# Altium PCB GS-AQ-2.pcbdoc (continued)
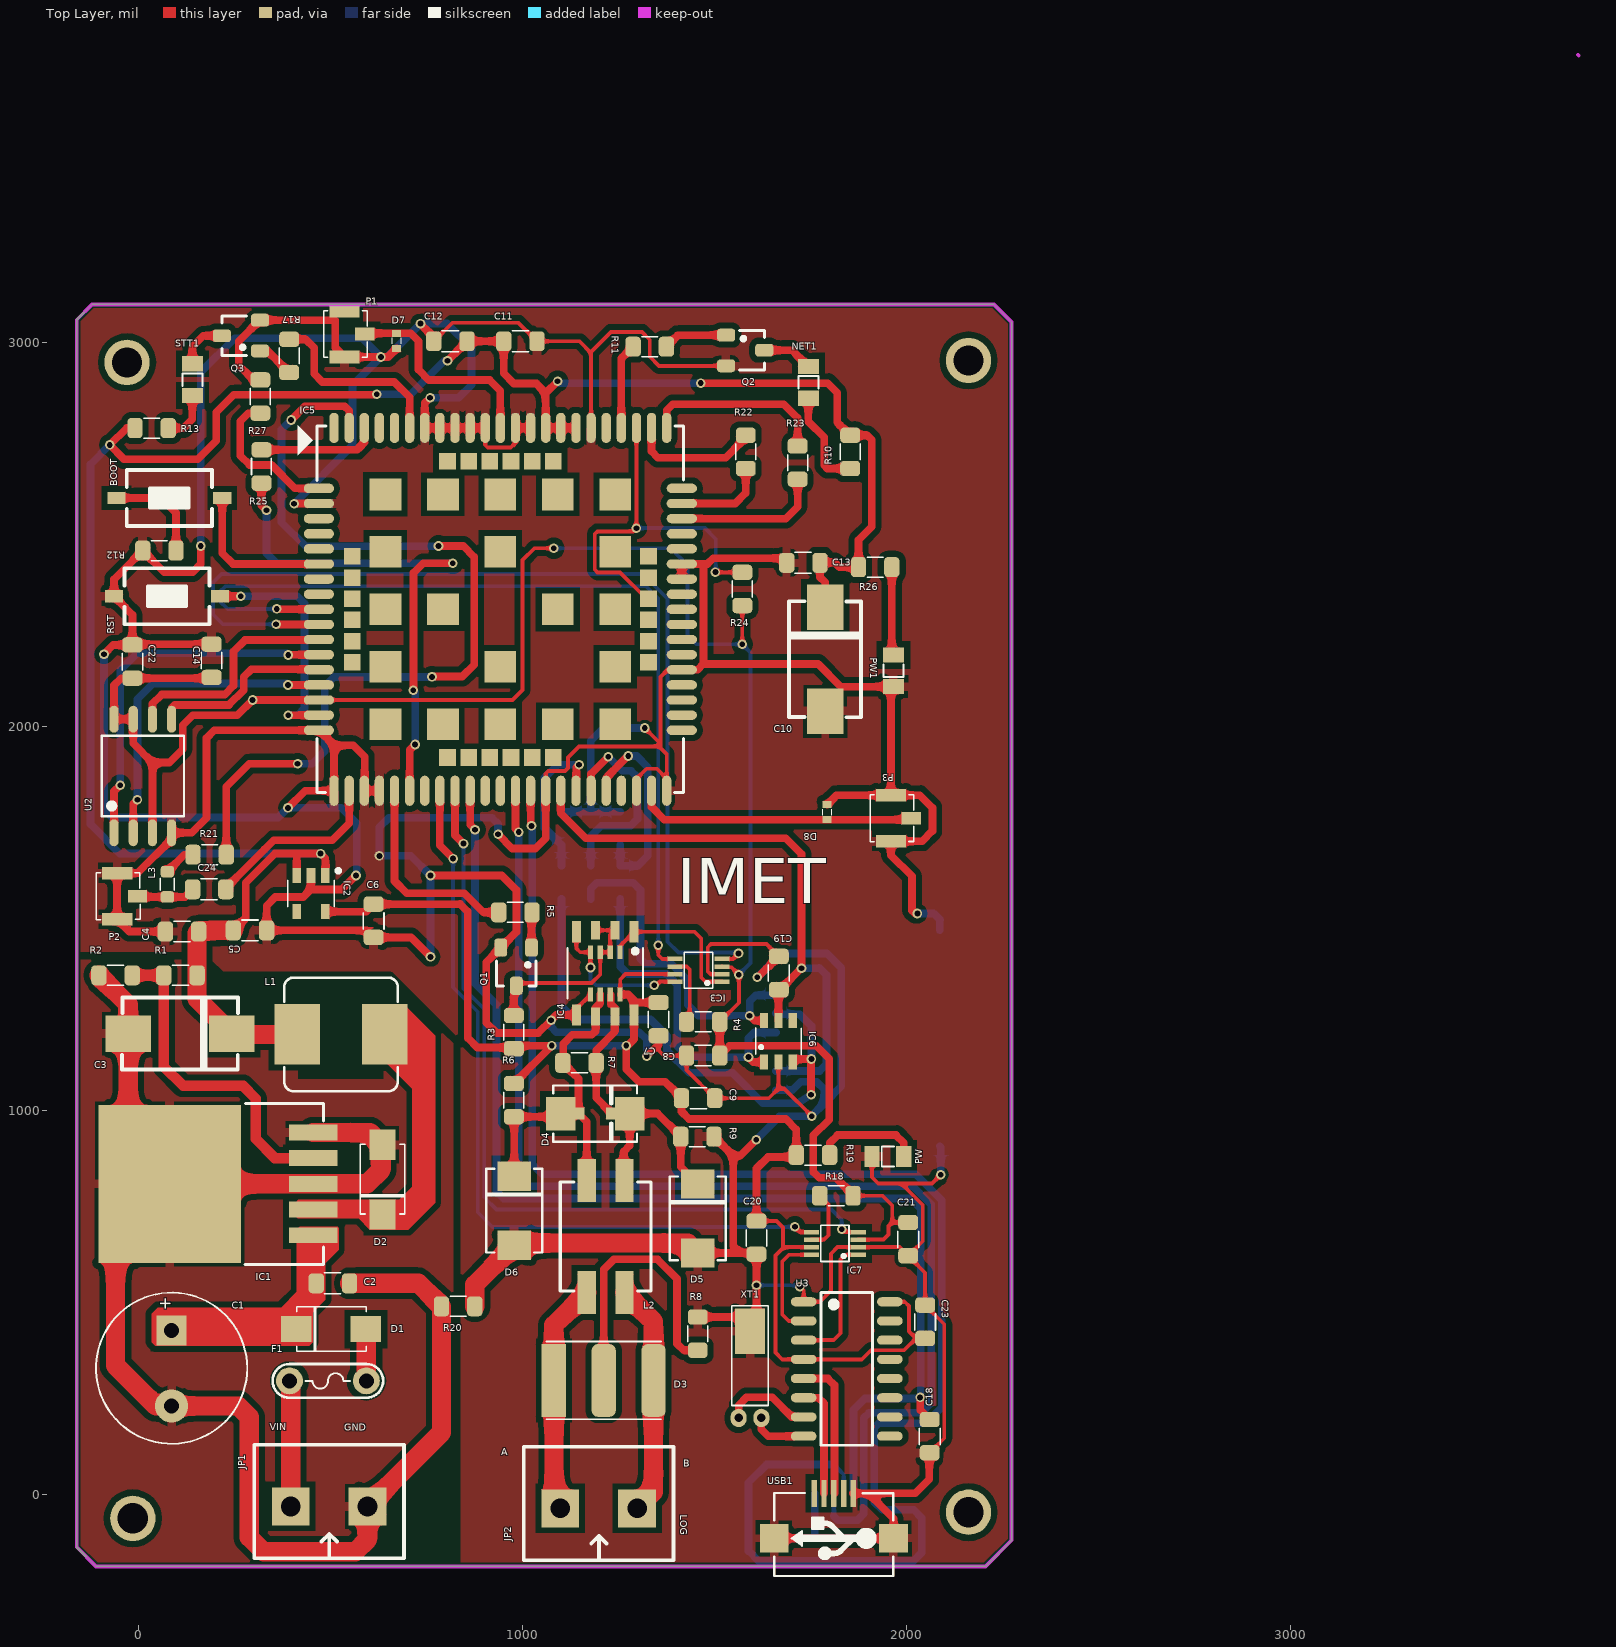
[diagram p0: Top Layer view]
## Footprints (in the part's own frame and the unit in brackets; to place one, negate y for a bottom-side part, rotate by r counter-clockwise, add the part's x,y. Pads: shape width x height; smd on the part's side, far side on the other; paste and mask are expansions set on the pad) (continued)
SO-8N [mil] "SOP, 8-Leads, Body 5.3x5.3mm, Pitch 1.27mm, IPC Medium Density"
  oval 70x24 smd: 1(-148,75) 2(-148,25) 3(-148,-25) 4(-148,-75) 5(148,-75) 6(148,-25) 7(148,25) 8(148,75)
  silkscreen extent -105,-107 105,107, body extent -156,-104 156,104, height 77
"SOD323 - DO241" [mm] "Chip Capacitor; Body 3.2 x 1.6 mm (LxW typ)"
  rect 1.93x2.21 smd: 1(-2.286,0) 2(2.286,0)
  rect 0.8x0.8 smd: 1(-1.1,0) 2(1.1,0)
  silkscreen extent -2.77,-1.85 2.77,1.85, body extent -2.7,-1.8 2.7,1.8, height 2.27
"SOIC-8 - 1" [mm] "SOIC, 8-Leads, Body 5,0x4,0mm (max), Pitch 1,27mm, IPC Medium Density"
  rect 1.4x0.6 smd: 1(-2.75,1.905) 4(-2.75,-1.905) 5(2.75,-1.905) 8(2.75,1.905)
  rect 0.9x0.356 smd: 1(-1.397,0.975) 2(-1.397,0.325) 3(-1.397,-0.325) 4(-1.397,-0.975) 5(1.397,-0.975) 6(1.397,-0.325) 7(1.397,0.325) 8(1.397,0.975)
  rect 1.2x0.6 smd: 2(-2.85,0.635) 3(-2.85,-0.635) 6(2.85,-0.635) 7(2.85,0.635)
  silkscreen extent -1.68,-2.5 1.68,2.5, body extent -3.02,-2.51 3.02,2.51, height 1.6
SOIC-16 [mm]
  oval 1.7x0.6 smd: 1(-2.85,4.445) 2(-2.85,3.175) 3(-2.85,1.905) 4(-2.85,0.635) 5(-2.85,-0.635) 6(-2.85,-1.905) 7(-2.85,-3.175) 8(-2.85,-4.445) 9(2.85,-4.445) 10(2.85,-3.175) 11(2.85,-1.905) 12(2.85,-0.635) 13(2.85,0.635) 14(2.85,1.905) 15(2.85,3.175) 16(2.85,4.445)
  silkscreen extent -1.7,-5.05 1.7,5.05, body extent -3.1,-4.95 3.1,4.95, height 1.7
SOT23-3 [mm]
  rrect50% 0.85x1.2 smd: 1(-1.016,-1.27) 2(1.016,-1.27) 3(-0.018,1.25)
  silkscreen extent -1.32,-0.38 1.28,1.25, body extent -1.5,-1.5 1.5,1.5, height 1.3
SOT23-5 [mm] "SOT23, 5-Leads, Body 3.0x3.0mm (max), Pitch 0.95mm, IPC Medium Density"
  rect 1x0.57 smd: 1(-1.2,0.95) 2(-1.2,0) 3(-1.2,-0.95) 4(1.2,-0.95) 5(1.2,0.95)
  silkscreen extent -1.62,-1.55 0.89,1.93, body extent -1.25,-1.5 1.25,1.5, height 1.06
"SOT23-6 - 2" [mm] "SOT23, 5-Leads, Body 3.0x3.0mm (max), Pitch 0.95mm, IPC Medium Density"
  rect 1x0.55 smd: 1(-1.372,0.95) 2(-1.372,0) 3(-1.372,-0.95) 4(1.372,-0.95) 5(1.372,0) 6(1.372,0.95)
  silkscreen extent -0.89,-1.5 0.89,1.5, body extent -1.4,-1.45 1.4,1.45, height 1.45
SW1-SMD [mm]
  rect 1.2x0.8 smd: 1(-3.5,0) 2(3.5,0)
  silkscreen extent -2.82,-1.85 2.82,1.85, body extent -3.05,-1.85 3.05,1.85, height 2.5
TO-263 [mm]
  rect 1.05x3.2 smd: 1(-3.4,-4.75) 2(-1.7,-4.75) 3(0,-4.75) 4(1.7,-4.75) 5(3.4,-4.75)
  rect 10.45x9.4 smd: 6(0,4.75)
  silkscreen extent -5.33,-5.44 5.31,-0.23, body extent -5.21,-5.33 5.21,9.04, height 4.85
US8 [mm] "Small Outline; 8 Leads; Body Width 3.9 mm; Pitch 1.27 mm"
  rect 1x0.3 smd: 1(-1.55,0.75) 2(-1.55,0.25) 3(-1.55,-0.25) 4(-1.55,-0.75) 5(1.55,-0.75) 6(1.55,-0.25) 7(1.55,0.25) 8(1.55,0.75)
  silkscreen extent -0.94,-1.19 0.94,1.19, body extent -1.6,-1.2 1.6,1.2, height 0.9
USB-M1 [mil]
  rect 14x70 smd: 1(51.18,0) 2(25.59,0) 3(0,0) 4(-25.59,0) 5(-50,0)
  rect 74.8x74.8 smd: 5(-155.51,116.84) 5(155.51,116.84)
  silkscreen extent -155,-1 155,215, body extent -157,5 158,218, height 107
XL-cd74 [mm]
  rect 3x4 smd: 1(2.9,0) 2(-2.9,0)
  silkscreen extent -3.76,-3.76 3.76,3.76, body extent -3.65,-3.65 3.65,3.65, height 4.5
XT32-3 [mil] "Crystal for 32,768kHz, 2pin"
  oval 48x42 hole 22: 1(-87.5,-29.53) 2(-87.5,29.53)
  rect 118.11x78.74 smd: 3(137.8,0)
  silkscreen extent -55,-47 205,47, body extent -93,-39 188,39, height 83

## Part data
BOOT RST: library part SW2, "Switch button 2 pin"
C1: library part CP3, "Cap 470uF/63V"
C2 C4: library part C, "4.7µF ±10% 35V Ceramic Capacitor X5R 0805 (2012 Metric)"
C3: library part CP5, "220µF Molded Tantalum Polymer Capacitor 16V 2917 (7343 Metric) 40mOhm @ 100kHz"
C5 C6 C7 C8 C9 C11 C12 C13 C14 C15 C16 C17 C18 C19 C20 C21 C22 C23 C24: library part C, "Cap SMD"
C10: library part CP4, "Cap SMD"
D1: library part D1A, "Diode 1A"
D2: library part B340A, "Diode Schottky 40V 3A Surface Mount DO-214AC (SMA)"
D3: "GDT 150V 5KA 3 POLE SMD"
D4 D5 D6: library part SMAJ30CA-30V/8.3A, "TVS DIODE 30VWM 48.4VC SMA"
D7 D8: library part TVS, "TVS DIODE 4VWM 1005"
F1: library part Fuse, "Fuse"
IC3 IC7: "IC TRNSLTR BIDIRECTIONAL US8"
IC4: library part MAX3362EKA+T, "IC TRANSCEIVER HALF 1/1 SOT23-8"
IC5: "SIM A7672S-CAT-M1"
JP1 JP2: library part Con2, "Connector 2"
L1: library part L1, "22µH Shielded Inductor 1.65A 96mOhm Max Nonstandard"
L2: library part "L filter Common Mode Chokes", "CMC 51UH 800MA 2LN SMD AEC-Q200"
L3: library part "Inductor Ferit", "FIXED IND 47NH 300MA 700MOHM SMD"
NET1 PW PW1 STT1: library part LED, "LED RED DIFFUSED 0805 SMD"
P1 P2 P3: library part IPXSx66, "Antenna GSM GPS"
Q1 Q2 Q3: library part NPN, "Transistor C1815, SOT23"
R1: library part R, "RES SMD 10K OHM 1% 1/8W 0805"
R2: library part R, "RES SMD 3.3K OHM 1% 1/8W 0805"
R3 R6 R9: library part R, "RES SMD 4.7K OHM 1% 1/8W 0805"
R4 R5 R7 R10 R11 R12 R13 R14 R15 R16 R17 R18 R19 R20 R21 R22 R23 R24 R25 R26 R27: library part R, "Resistor 1/4W"
R8: library part RES, "Resistor 1/4W"
U1: library part Component_1
U2: library part W25Q128JVSIQ, "IC FLASH 128MBIT SPI/QUAD 8SOIC"
U3: library part CH340G, "USB to UART Interface"
XT1: library part XT32k, "Crystal 32,768kHz for timer real"

## Free pads (board coordinates)
  round 118.11 hole 78.74: 4(2162,2952) 5(2162,-47) 6(-14,-63) 7(-29,2947)

## Via types
v1: diameter 25, hole 15, Top Layer to Bottom Layer, 70 vias
v2: diameter 25, hole 15, Top Layer to Bottom Layer, tented both sides, 2 vias

## Nets (pads, with @x,y where several pads share a name; then routed paths per layer and width w, separated by ;. In a path a pad name is that pad's centre, name@x,y a point inside that pad or via, vN(x,y) a via of type N, cw(c..) or ccw(c..) an arc to the next point about the centre after c; other vN are vias at no path point)
1.8V: C8.1 C14.1 C21.1 C22.2 IC3.3 IC5.15 IC7.3 R4.2 R18.2 R24.2 U2.3 U2.7 U2.8 | length 5265.3
  Top Layer w10: IC5.15 974.78,2067.78 1001,2094 1001,2432 1032,2463 v1(1082,2463) ; R4.2 1564,1279.69 v1(1564,1352.74) 1544.68,1372.06 1520.02,1372.06 IC3.3 ; v1(1573,2213) R24.2 ; R18.2 1938,777 1963.31,751.69 1963.31,707.31 ; IC7.3 1940.84,662.84 1954,676 1954,698 1963.31,707.31 ; C21.1 1963.31,707.31
  Top Layer w20: U2.3 37,1905 ; C14.1 189,2124.69 C22.2 -44.31,2124.69 -63,2106 U2.8 U2.7 -13,1955 37,1905 ; IC5.15 v1(297.78,2067.78) 258,2028 142,2028 116,2002 116,1940 81,1905 37,1905 ; R4.2 C8.1 1539.81,1167.5 1765.5,1167.5 1799,1134 1799,975 1758,934 1758,839 1773,824 1816,824 1861.31,778.69 R18.2
  Bottom Layer w10: v1(1082,2463) 1386,2463 1430,2419 1430,2237 1454,2213 v1(1573,2213) 1594,2192 1594,1382.74 v1(1564,1352.74)
3.3LOG_RX: IC7.8 U3.2 | length 284.1
  Top Layer w10: U3.2 1694,451 1677,468 1677,606 1694.47,623.47 IC7.8
3.3LOG_TX: IC7.1 U3.3 | length 346.9
  Top Layer w10: U3.3 1811,401 1829,419 1829,611 1841.47,623.47 IC7.1
3.8V: C3.1 C4.2 C5.1 C10.1 C11.1 C12.1 C13.1 IC2.1 IC2.3 IC5.55 IC5.56 IC5.57 L1.2 R1.2 R10.2 R13.2 R26.1 | length 5911.7
  Top Layer w20: R13.2 -30,2776 v1(-74,2732) -37,2695 155,2695 203,2743 203,2817 249,2863 620,2863 v1(621,2864) ; C5.1 280,1500.31 280,1591.65 356,1667.65 356,1668 414,1668 ; IC2.3 412.6,1666.6 414,1668 ; IC2.1 487.4,1655.6 v1(475,1668) 414,1668 ; v1(805.31,2951) C12.1 C11.1 951.69,2918.31 978,2892 1037,2892 1061.11,2867.89 ; v1(1092,2898) 1061.89,2867.89 1061.11,2867.89 ; IC5.55 IC5.56 IC5.57 1061.11,2867.89 ; v1(1465,2893) 1795,2893 1820,2868 1820,2791.31 R10.2 1897.69,2757.31 1910,2745 1910,2519 1875.69,2484.69 R26.1 1826,2414 1814,2426 1776.31,2426 C13.1 1775.31,2387.69 1789,2374 C10.1
  Top Layer w50: C5.1 160.31,1468 C4.2 153.31,1461 R1.2 153.31,1289.69 C3.1 246,1197 L1.2
  Bottom Layer w20: v1(-74,2732) -124,2682 -124,1744 -48,1668 v1(475,1668) ; v1(621,2864) 710,2864 797,2951 v1(805.31,2951) ; v1(1092,2898) 1097,2893 v1(1465,2893)
485A: D4.1 D6.2 IC4.6 L2.4 R6.2 R7.1 | length 907.7
  Top Layer w20: D6.2 979,981.69 R6.2 1138.39,982.69 D4.1@1146.69,991 ; L2.4 1167.79,969.91 D4.1@1146.69,991 ; IC4.6@1203.2,1301 1203,1300.8 1203,1279 1201.61,1277.61 1201.61,1276.24 1191.66,1266.28 1191,1266.28 1191,1243.8 1191,1206 1181,1196 1130.36,1196 1106.5,1172.14 1106.5,1123.81 R7.1 1146.69,1082 D4.1@1146.69,991
485B: D4.2 D5.2 IC4.7 L2.1 R7.2 R9.2 | length 832.6
  Top Layer w20: IC4.7@1230.2,1300.8 1230.2,1276.42 1240.34,1266.28 1241,1266.28 1241,1243.8 1241,1204 1192.31,1155.31 R7.2 1192.31,1032 D4.2@1233.31,991 ; L2.1 1264,818.88 1264,892 1280.01,908.01 1280.01,991.01 1352.69,991.01 R9.2 1412.69,852.31 D5.2
485DE/RE: IC5.19 R5.1 | length 540
  Top Layer w20: IC5.19 667.41,1596.59 699.69,1564.31 848.88,1564.31 898.18,1515 R5.1
485RX: IC3.8 IC4.4 | length 385.9
  Top Layer w10: IC4.4@1141,1464.27 1141,1421 1151,1411 1177.61,1411 v2(1177.61,1371.39) ; v1(1344,1325) 1349,1325 1358.47,1334.47 IC3.8
  Bottom Layer w10: v2(1177.61,1371.39) 1177.61,1339.39 1192,1325 v1(1344,1325)
485TX: IC3.1 IC4.1 | length 411
  Top Layer w10: IC4.1@1254.39,1411 1254.39,1427.65 1291,1464.27 1448.73,1464.27 1466,1447 1466,1345 1476.53,1334.47 IC3.1
+3.3V: C6.1 C7.1 C9.1 C20.1 C23.2 IC2.5 IC3.7 IC4.8 IC7.7 R3.1 R6.1 R19.2 U3.4 U3.16 | length 3643.2
  Top Layer w10: IC4.8@1254.39,1301 1255,1301.61 1255,1340 1269.16,1354.16 IC3.7 ; C20.1 1661.69,711.31 1679,694 1679,645.31 1681.16,643.16 ; IC7.7 1681.16,643.16 ; U3.16 1996,501 2007,490 2007,424 2025.31,405.69 1994.43,374.81 1907.81,374.81 1884,351 U3.4 1677,351 1659,369 1659,621 1681.16,643.16
  Top Layer w20: IC2.5 593.45,1516.76 C6.1 836.69,1536.31 837.69,1537.31 858,1517 858,1188 883,1163 974.69,1163 R3.1 986.31,1168 v1@1076.69,1168 ; R6.1 v1@1076.69,1168 ; v1(1077,1168) v1@1076.69,1168 ; IC4.8@1257.2,1300.8 1257.2,1301 1276,1301 1291,1286 ; C7.1 1296.69,1280.31 1291,1286 ; C20.1 1610,848 1640,878 1708.69,878 R19.2 1713.69,949.31 1686,977 1434,977 1414.69,996.31 C9.1 1371.69,1074 1304,1074 1271,1107 v1(1271,1168) 1274,1168 1291,1185 1291,1247.73 1291,1286
  Bottom Layer w20: v1(1077,1168) v1(1271,1168)
+5V: USB1.1
A: D3.1 JP2.2 L2.3 | length 604.8
  Top Layer w50: JP2.2 1083,-21 1083,295.08 D3.1 1082.08,439.62 L2.3
B: D3.2 JP2.1 L2.2 | length 611.5
  Top Layer w50: L2.2 1341.92,449.62 D3.2 1341.92,5.92 JP2.1
CLK: IC6.6 R16.1 U1.3 | length 889.1
  Top Layer w20: v1(1592,1246) 1605,1233 IC6.6
  Bottom Layer w20: R16.1 1178.5,1576.5 1194,1592 1289,1592 1308,1573 1308,1394 1320.5,1381.5 1387.68,1381.5 1431,1338.18 1431,1274 1459,1246 v1(1592,1246) 1592,1283 1608,1299 1657.85,1299 U1.3
D+: U3.5 USB1.3 | length 369.2
  Top Layer w20: U3.5 1796,301 1813,284 USB1.3@1813,2
D-: U3.6 USB1.2 | length 293.3
  Top Layer w20: U3.6 1771,251 1785.82,236.18 USB1.2
DATA: IC6.3 R14.1 U1.7 | length 1399.2
  Top Layer w20: IC6.3 1712.4,1133 v1(1753,1133) 1752,1132 v1(1752,1040)
  Bottom Layer w20: R14.1 1102,1271 1137,1236 1334,1236 1377,1193 1377,1154.82 1434.82,1097 1547.44,1097 1626.21,1018.23 1717.23,1018.23 v1(1752,1040) ; U1.7 1662.77,1250 1722,1250 1753,1219 v1(1753,1133)
DE/RE: IC4.2 IC4.3 Q1.3 R3.2 | length 510.7
  Top Layer w10: Q1.3 984.7,1330.72 1180.72,1330.72 1203,1353 1203,1410.8 1203.2,1411 1228.8,1411 1228.8,1456 1241,1468.2 IC4.3@1191,1468.2
  Top Layer w20: R3.2 978,1317.09 Q1.3
DM: IC5.28 J1.2 | length 4216.4
  Top Layer w20: IC5.28 1021.74,1742.26 v1(1024,1740)
  Bottom Layer w10: 1811,77 1837,51 J1.2
  Bottom Layer w20: v1(1024,1740) 1026,1738 1026,859 1052,833 2024.37,833 2092.5,764.87 2092.5,226.32 2051.18,185 1928.59,185 1916.59,173 1916.59,-20.59 1937,-41 2019,-41 2040,-62 2040,-152 2019,-173 1615,-173 1591,-149 1589,-149 1589,30 1636,77 1811,77
DP: IC5.27 J1.3 | length 3221.2
  Top Layer w20: IC5.27 982.37,1732.63 v1(991,1724)
  Bottom Layer w10: 1811.41,-57.41 J1.3
  Bottom Layer w20: v1(991,1724) 991,825 1014,802 2017.18,802 2065,754.18 2065,264.72 2065.5,264.22 2065.5,237.5 2040,212 1903,212 1889.59,198.59 1889.59,-51.41 1873,-68 1822,-68 1811.41,-57.41
GND: C4.1 C5.2 C6.2 C7.2 C8.2 C9.2 C10.2 C11.2 C12.2 C13.2 C14.2 C15.2 C16.2 C17.2 C18.2 C19.2 C20.2 C21.2 C22.1 C23.1 D5.1 D6.1 D7.2 D8.1 IC2.2 IC3.2 IC4.5 IC5.2 IC5.17 IC5.18 IC5.29 IC5.39 IC5.45 IC5.46 IC5.54 IC5.58 IC5.59 IC5.61 IC5.62 IC5.63 IC5.64 IC5.65 IC5.89 IC5.91 IC5.92 IC5.94 IC6.2 IC7.2 J1.5 P1.2 P1.3 P2.2 P2.3 P3.2 P3.3 PW1.2 PW.2 Q1.2 Q2.2 Q3.2 R8.2 R9.1 R12.1 R20.1 R27.2 RST.1 U1.5 U1.8 U2.4 U3.1 USB1.5 XT1.3 | length 21336.7
  Top Layer w10: C12.2 817.69,3050 990.31,3050 C11.2 1149,3002 1179.22,2971.78 ; IC5.61 903.63,2731.37 910,2725 970,2725 982.37,2737.37 IC5.59 ; IC5.29 1061.11,1876.54 1067.57,1883 1111,1883 1119,1891 1119,1918 1148,1947 1356,1947 ; IC4.5@1141,1247.73 1141,1264.39 IC4.5@1177.61,1301 ; IC5.54 1179.22,2971.78 ; IC5.92 1297.33,1862.33 1324,1889 1351,1889 IC5.94@1376.07,1863.93 ; v1(1319,1995) 1356,1958 1356,1947 ; C7.2 1355,1171 1355,1156 1369,1142 C8.2 1427.69,1104.61 C9.2 1642,1031 1667,1056 ; IC5.94 IC5.94@1376.07,1863.93 ; IC5.39 1378.52,2146.52 1360,2128 1360,1943 ; IC3.2 1489.84,1354.16 1483,1361 1483,1424 1491.5,1432.5 1635.81,1432.5 C19.2 ; Q2.2 1356,2938 1332,2962 1332,3006 1312,3026 1231,3026 1179.22,2974.22 1179.22,2971.78 ; IC6.2 1667,1056 ; v1(1723,540) 1732.8,530.2 U3.1 1775,501 1804,530 1804,626 1821.16,643.16 IC7.2 1982.54,643.16 C21.2 ; v1(1754,984) 1682,1056 1667,1056 ; PW.2 1910.66,825.34 1927,809 1987,809 ; C18.2 2099,145.69 2099,442.31 C23.1 2049,576.69 C21.2 ; v1(2090,832) 2067,809 1987,809 ; 1356,1947 1360,1943 ; 1360,1943 1376.07,1926.93 IC5.94@1376.07,1863.93 ; 1987,809 2043,753 2043,658.69 C21.2
  Top Layer w20: v1(-89,2187) -64.69,2211.31 C22.1 ; C4.1 -23,1465 P2.2 P2.3 -2,1617 87,1706 U2.4 139,1722 178,1761 178,1969 198.04,1989.04 IC5.17 509.93,1949.67 ; v1(163,2469) 163,2422 142,2401 67.69,2401 R12.1 -62.8,2382.51 RST.1 -15,2290.2 C22.1 ; C14.2 -13,2213.31 C22.1 ; R27.2 299.69,2901.31 262,2939 262,3002 Q3.2 513,3057 513,2985 P1.2 v1(632,2961) 650.69,2961 D7.2 ; v1(390,1787) 434.56,1831.56 IC5.89 509.93,1949.67 ; v1(406,2579) 406.59,2579.59 IC5.2 ; IC2.2 450,1575 ; v1(567,1611) 530.56,1574.56 450.44,1574.56 450,1575 ; IC5.18 IC5.91 590,1832.89 590,1920 560.33,1949.67 509.93,1949.67 ; v1(735,3048) 734,3048 769.69,3012.31 C12.2 ; v1(760,2855) 746.15,2841.15 IC5.65 IC5.64 IC5.63 IC5.62 IC5.61 ; v2(761,1399) 710.31,1449.69 C6.2 594.69,1468 C5.2 334.31,1532.31 357,1555 430,1555 450,1575 ; v1(761,1611) 947,1611 985,1573 985,1464 Q1.2 906,1385 906,1228 933,1201 1042,1201 v1(1075,1234) 1088.73,1247.73 IC4.5@1141,1247.73 ; v1(937,1718) 974,1681 1034,1681 1061.11,1708.11 IC5.29 ; IC5.59 IC5.58 ; v1(1324,1140) 1355,1171 ; IC5.39 1456.48,2146.52 ; IC5.45 IC5.46 1468,2422.11 ; 1456.5,2146.5 1471.81,2161.81 ; R8.2 1555.49,461.31 XT1.3 1610,440.8 v1(1610,544) C20.2 1606.69,628 1567,628 ; D5.1 1567,628 ; R9.1 1549,881.31 ; v1(1609,923) 1567.31,881.31 1549,881.31 ; v1(1612,1346) 1613.69,1346 C19.2 ; USB1.5@1655.9,-114.84 1966.92,-114.84 1966.92,-63.92 1901,2 ; C13.2 1676.39,2437.31 1497.59,2437.31 1482.39,2422.11 1468,2422.11 ; D8.1 1818.31,1820 P3.3 ; USB1.5@1861.41,2 1901,2 ; v1(2029,1512) 2023,1512 2015,1520 2015,1609 1960,1664 P3.2 2041,1700 2068,1727 2068,1787 2035,1820 P3.3 ; C18.2 2060,106.69 2060,39 2023,2 1901,2 ; 1468,2422.11 1471.81,2418.3 1471.81,2161.81 ; 1471.81,2161.81 1770.19,2161.81 1829.34,2102.66 PW1.2 1960,2095.66 P3.3 ; 1549,881.31 1549,646 1567,628
  Top Layer w50: R20.1 876.31,545.31 D6.1 985,654 1431,654 D5.1
  Bottom Layer w10: v1(1610,544) 1719,544 v1(1723,540)
  Bottom Layer w20: v1(-89,2187) -89,1784 -67,1762 365,1762 v1(390,1787) 529,1787 569,1747 569,1613 v1(567,1611) ; v1(163,2469) 163,2922 251,3010 583,3010 v1(632,2961) ; v1(406,2579) 558,2731 558,2887 v1(632,2961) ; v1(760,2855) 834,2855 868,2889 868,2984 804,3048 v1(735,3048) 648,2961 v1(632,2961) ; v2(761,1399) v1(761,1611) 710,1662 v1(628,1662) 628,1736 653,1761 921,1761 937,1745 v1(937,1718) ; v1(1075,1234) 1075,1217 1089,1203 1305,1203 1324,1184 v1(1324,1140) ; C17.2 C15.2 ; C16.2 C15.2 ; v1(1319,1995) 1212,1995 1178.5,1961.5 C15.2 ; v1(1609,923) 1670,984 v1(1754,984) 1754,985 1786.18,1017.18 ; v1(1612,1346) 1674,1408 1793,1408 1831,1370 1831,1062 1786.18,1017.18 ; J1.5@1655.9,-114.84 1762,-114.84 ; U1.5 1702.62,1051.96 1724.84,1074.18 1766.16,1074.18 1786.18,1054.16 1786.18,1017.18 ; J1.5@1761.41,2 1761.41,-114.25 1762,-114.84 ; J1.5@1966.92,-114.84 1762,-114.84 ; v1(2029,1512) 2071,1512 2088,1495 2087.19,1494.19 U1.8@2087.19,1468.5 ; U1.8@2087.19,905.5 2090,902.69 v1(2090,832)
GND_IN: C1.2 C2.1 C3.2 D2.1 IC1.3 IC1.5 IC1.6 JP1.1 R2.1 R20.2 | length 3980.8
  Top Layer w50: R2.1 -26,1274.69 C3.2 -26,915.99 IC1.6 ; IC1.5 603.69,941.86 D2.1 632,905.55 632,844 596,808 IC1.3 IC1.6 ; C2.1 729.69,549 R20.2 789.69,160.69 JP1.1 597,-118 565,-150 327,-150 289,-112 289,201 260.43,229.57 C1.2 46.43,229.57 -59,335 -59,667.01 IC1.6
LED_NET: IC5.52 R11.1 | length 224.3
  Top Layer w20: IC5.52 1257.96,2957.27 R11.1
LOG_RX: IC5.22 IC7.5 | length 2028.6
  Top Layer w11: v1(1710,696) 1723.47,682.53 IC7.5
  Top Layer w20: IC5.22 785.52,1689.48 v1(820,1655)
  Bottom Layer w10: v1(820,1655) 820,1320 884,1256 884,734 922,696 v1(1710,696)
LOG_TX: IC5.23 IC7.4 | length 2115.6
  Top Layer w10: v1(1832,690) 1839.47,682.53 IC7.4
  Top Layer w20: IC5.23 824.89,1716.11 v1(847,1694)
  Bottom Layer w10: v1(847,1694) 847,1317.04 901,1263.04 901,773 933,741 1805,741 1832,714 v1(1832,690)
MISO: IC5.14 U2.2 | length 843.8
  Top Layer w20: U2.2 -13,1797 v1(-2,1808) ; v1(390,2107) 390.15,2107.15 IC5.14
  Bottom Layer w20: v1(-2,1808) -2,2070 39,2111 386,2111 v1(390,2107)
MOSI: IC5.13 U2.5 | length 475
  Top Layer w20: U2.5 87,2047 95,2055 236.18,2055 275,2093.82 275,2128 295,2148 469.08,2148 IC5.13
NetBOOT_1: BOOT.1 R12.2 | length 269.7
  Top Layer w20: BOOT.1 60,2594 98.31,2555.69 R12.2
NetBOOT_2: BOOT.2 IC5.6 | length 407.3
  Top Layer w20: BOOT.2 218.8,2450.2 247,2422 470.45,2422 IC5.6
NetC15_1: C15.1 IC5.32 R16.2 | length 531.2
  Top Layer w20: IC5.32 1179.22,1875.5 1179.5,1875.5 v1(1224,1920)
  Bottom Layer w20: R16.2 C15.1 1178.5,1713.5 1205.31,1740.31 1282.18,1740.31 1300,1758.12 1300,1867 1283,1884 1260,1884 v1(1224,1920)
NetC16_1: C16.1 IC5.33 R15.2 | length 545.8
  Top Layer w20: IC5.33 1218.59,1865.59 1275,1922 v1(1276,1922)
  Bottom Layer w20: C16.1 R15.2 1301.31,1636.31 1327,1662 1327,1893 1298,1922 v1(1276,1922)
NetC17_1: C17.1 IC5.31 R14.2 | length 421.8
  Top Layer w20: IC5.31 1141,1832.71 1141,1892 v1(1148,1899)
  Bottom Layer w20: R14.2 C17.1 1058,1734.69 1058,1865 1092,1899 v1(1148,1899)
NetC24_1: C24.1 IC5.90 | length 478.7
  Top Layer w20: C24.1 228.31,1578.14 329,1678.83 329,1679.18 352.82,1703 505,1703 549.3,1747.3 IC5.90
NetC24_2: C24.2 L3.1 P2.1 | length 152.8
  Top Layer w20: P2.1 0,1555 L3.1 121.69,1555 C24.2
NetD1_1: D1.1 F1.2 | length 135.6
  Top Layer w50: D1.1 594,428.55 F1.2
NetD2_2: D2.2 IC1.2 L1.1
NetD3_3: D3.3 R8.1 | length 742.5
  Top Layer w20: D3.3 1212,585 1239,612 1352,612 1403,561 1403,392 1420.31,374.69 R8.1
NetD7_1: D7.1 IC5.60 P1.1 | length 555.6
  Top Layer w20: P1.1 591.69,3022.69 D7.1 709.31,3022.69 730,3002 730,2928 757,2901 915,2901 943,2873 IC5.60
NetD8_2: D8.2 IC5.93 P3.1 | length 733.7
  Top Layer w20: IC5.93 1336.7,1789.3 1369.69,1756.31 D8.2 2009.31,1756.31 P3.1
NetF1_1: F1.1 JP1.2 | length 328.2
  Top Layer w50: F1.1 397,292 JP1.2
NetIC1_4: IC1.4 R1.1 R2.2 | length 869.6
  Top Layer w27.56: R2.2 R1.1 66.69,1113.31 117,1063 273,1063 306,1030 306,925 356.07,874.93 IC1.4
NetIC3_6: IC3.6 R4.1 | length 189.4
  Top Layer w10: IC3.6 1428.16,1373.84 1436,1366 1436,1242.31 R4.1@1418.69,1225
NetIC5_1: IC5.1 R27.1 | length 390.4
  Top Layer w20: R27.1 286.69,2814.69 266,2794 266,2704 290,2680 347,2680 408.04,2618.96 IC5.1
NetIC5_16: IC5.16 RST.2 | length 631.1
  Top Layer w20: RST.2 v1(267,2338) ; v1(390.59,2028.41) IC5.16
  Bottom Layer w20: v1(267,2338) 414,2338 433,2319 433,2046 415,2028 391,2028 v1(390.59,2028.41)
NetIC5_20: IC5.20 R25.1 | length 1373.7
  Top Layer w20: R25.1 321,2575 v1(334,2562) ; IC5.20 706.78,1937.78 v1(721,1952) ; v1(716,2093) 717,2094 717,2399 742,2424 v1(819,2424)
  Bottom Layer w20: v1(334,2562) 334,2450 362,2422 364,2424 v1(819,2424) ; v1(716,2093) 721,2088 v1(721,1952)
NetIC5_49: IC5.49 R23.1 | length 386
  Top Layer w20: IC5.49 1686.22,2540.22 1717,2571 R23.1
NetIC5_50: IC5.50 R22.1 | length 241.6
  Top Layer w20: IC5.50 1554.59,2579.59 1582,2607 R22.1
NetIC5_95: IC5.95 R23.2 | length 480.8
  Top Layer w20: IC5.95 1376.07,2822.07 1392,2838 1681,2838 1717,2802 R23.2
NetIC5_96: IC5.96 R22.2 | length 341
  Top Layer w20: IC5.96 1336.7,2715.3 1353,2699 1530,2699 1582,2751 R22.2
NetIC5_97: IC5.97 IC5.116 R24.1 | length 1015
  Top Layer w10: IC5.97 v1(1297.33,2515.33) 1288.94,2506.94 1195.9,2506.94 1188.87,2499.92 1188.87,2407.3 1195.9,2400.27 1254.96,2400.27 1323.67,2331.56 IC5.116 ; v1(1503,2401) 1503.69,2400.31 R24.1
  Bottom Layer w10: v1(1297.33,2515.33) 1475.67,2515.33 1504,2487 1504,2402 v1(1503,2401)
NetIC5_98: IC5.98 R25.2 | length 313.7
  Top Layer w20: R25.2 569.65,2719.31 588.67,2738.33 IC5.98
NetIC5_99: IC5.99 R21.1 | length 2365.3
  Top Layer w20: R21.1 229.31,1842.31 289,1902 v1(415,1902) ; v1(398,2797) 433.81,2832.81 537.19,2832.81 549.3,2820.7 IC5.99 ; v1(765,2128) 766,2129 844,2129 875,2160 875,2440 846,2469 v1(782,2469)
  Bottom Layer w20: v1(398,2797) 373,2772 373,2531 436,2468 781,2468 v1(782,2469) ; v1(415,1902) 453,1902 486,1935 486,2103 511,2128 v1(765,2128)
NetIC6_1: IC6.1 R15.1 U1.2 | length 874.8
  Top Layer w20: v1(1589,1138) 1602,1125 IC6.1
  Bottom Layer w20: R15.1 1255,1374 1274.5,1354.5 1376.5,1354.5 1404,1327 1404,1166 1432,1138 v1(1589,1138) 1589,1187 1604,1202 U1.2 U1.2
NetIC7_6: IC7.6 R18.1 | length 160.9
  Top Layer w10: IC7.6 1785.84,662.84 1797,674 1797,754.69 R18.1
NetL3_2: L3.2 R21.2 | length 93.9
  Top Layer w20: L3.2 120,1665 R21.2 R21.2@142.69,1674
NetNET1_1: NET1.1 R10.1 | length 267.4
  Top Layer w20: NET1.1@1748.03,2856.69 NET1.1 1745,2793 1786,2752 1786,2679 1794.31,2670.69 R10.1
NetNET1_2: NET1.2 Q2.3 | length 132.3
  Top Layer w20: Q2.3 1702.64,2978.7 NET1.2
NetPW1_1: PW1.1 R26.2 | length 230.6
  Top Layer w20: R26.2 1962.31,2190.03 PW1.1
NetPW_1: PW.1 R19.1 | length 277
  Top Layer w20: R19.1 1800.31,914.31 1821,935 1973,935 1993.34,914.66 PW.1
NetQ1_1: Q1.1 R5.2 | length 92.5
  Top Layer w20: Q1.1 1024,1513.69 R5.2
NetQ2_1: Q2.1 R11.2 | length 168.1
  Top Layer w20: R11.2 1405.31,3018 Q2.1
NetQ3_1: Q3.1 R17.2 | length 99.3
  Top Layer w20: Q3.1 336.69,2977 R17.2
NetQ3_3: Q3.3 STT1.2 | length 133.2
  Top Layer w20: STT1.2 141,2988 169.3,3016.3 Q3.3
NetR13_1: R13.1 STT1.1 | length 133.9
  Top Layer w20: R13.1 118,2776 141,2799 STT1.1
NetU3_7: U3.7 XT1.2 | length 231.9
  Top Layer w20: XT1.2 1563.47,231.47 1584,252 1651,252 1702,201 U3.7
NetU3_8: U3.8 XT1.1 | length 146.9
  Top Layer w20: XT1.1 1622.53,169.47 1641,151 U3.8
SCK: IC5.11 U2.6 | length 595
  Top Layer w20: U2.6 37,2058 61,2082 225,2082 248,2105 248,2194 278,2224 469.3,2224 IC5.11
SIM_RX: IC3.4 IC5.10 | length 2727.9
  Top Layer w10: IC3.4 1548.53,1393.53 v1(1563,1408)
  Top Layer w20: v1(359,2265) 359.37,2264.63 IC5.10
  Bottom Layer w10: v1(359,2265) 221,2265 195,2291 195,2374 217,2396 1314.04,2396 1378.5,2331.54 1378.5,1438.5 1407,1410 1561,1410 v1(1563,1408)
SIM_TX: IC3.5 IC5.9 | length 2428.5
  Top Layer w10: v1(1354,1429) 1354,1404 1364.47,1393.53 IC3.5
  Top Layer w20: v1(361,2305) 362,2304 IC5.9
  Bottom Layer w10: v1(361,2305) 233,2305 212,2326 212,2349 227,2364 1322,2364 1354,2332 v1(1354,1429)
SS: IC5.12 U2.1 | length 968.9
  Top Layer w20: U2.1 -63,1830 v1(-47,1846) ; v1(391,2185) 391.89,2185.89 IC5.12
  Bottom Layer w20: v1(-47,1846) -47,2146 -3,2190 386,2190 v1(391,2185)
STATUS: IC5.66 R17.1 | length 496
  Top Layer w20: R17.1 435.69,3007.31 458,2985 458,2917 479,2896 667,2896 706.78,2856.22 IC5.66
V_USIM: C19.1 IC5.30 IC6.5 U1.1 | length 1632.5
  Top Layer w20: IC5.30 1100.48,1772.99 1165.47,1708 1686,1708 1727,1667 v1(1727,1369.69) 1667,1309.69 IC6.5
  Bottom Layer w20: U1.1 1774.92,1101.96 1792,1119.04 1792,1352 1773,1371 1771.69,1369.69 v1(1727,1369.69)
VBUS: C18.1 IC5.24 J1.1 | length 3160
  Top Layer w20: IC5.24 864.26,1742.74 v1(877,1730) ; v1(2036,252) 2036,219.31 C18.1
  Bottom Layer w20: v1(877,1730) 877,1330 933,1274 933,788 951,770 2011,770 2038,743 2038,254 v1(2036,252) 2033,249 1892,249 1862.59,219.59 J1.1
VIN: C1.1 C2.2 D1.2 IC1.1
pads on no net: IC2.4 IC5.3 IC5.4 IC5.5 IC5.7 IC5.8 IC5.21 IC5.25 IC5.26 IC5.34 IC5.35 IC5.36 IC5.37 IC5.38 IC5.40 IC5.41 IC5.42 IC5.43 IC5.44 IC5.47 IC5.48 IC5.51 IC5.53 IC5.67 IC5.68 IC5.69 IC5.70 IC5.71 IC5.72 IC5.73 IC5.74 IC5.75 IC5.76 IC5.77 IC5.78 IC5.79 IC5.80 IC5.81 IC5.82 IC5.83 IC5.84 IC5.85 IC5.86 IC5.87 IC5.88 IC5.100 IC5.101 IC5.102 IC5.103 IC5.104 IC5.105 IC5.106 IC5.107 IC5.108 IC5.109 IC5.110 IC5.111 IC5.112 IC5.113 IC5.114 IC5.115 IC5.117 IC5.118 IC5.119 IC5.120 IC5.121 IC5.122 IC5.123 IC5.124 IC6.4 J1.4 U1.6 U3.9 U3.10 U3.11 U3.12 U3.13 U3.14 U3.15 USB1.4

## Polygon pours and split planes (outlines as drawn)
GND on Top Layer "GND_TOP" (solid, pour order 32): -120,3098 2228,3098 2274,3052 2274,-120 2206,-188 840,-188 840,1179.78 658.76,1361.01 221.15,1361.01 170.15,1412.01 -158.01,1412.01 -160,1414 -160,3058
GND_IN on Top Layer "GND_IN_TOP" (solid, remove dead copper, pour order 30): -160,1412.01 170.15,1412.01 221.15,1361.01 659.54,1361.01 841,1179.55 841,-188 -110,-188 -160,-138 -160,1412.01
no net on Top Layer "Top Layer-No Net" (solid, pour order 4): -307,1224
GND on Bottom Layer "GND_BOTTOM" (solid, pour order 36): -120,3098 2228,3098 2274,3052 2274,-120 2206,-188 840,-188 840,1177.99 840.01,1178 661.74,1356.27 661.74,1359.88 222.29,1359.88 170.15,1412.01 -159.23,1412.01 -159.62,1411.63 -160,1412.01 -160,3058
GND_IN on Bottom Layer "GND_IN_BOTTOM" (solid, pour order 34): -159.62,1411.63 170.53,1411.63 221.53,1360.63 659.92,1360.63 659.92,1359.86 840,1179.78 840,-188 -110,-188 -160,-138 -160,1412.01

## Keep-outs
Keep-Out Layer:
  lines w10: 3749,3748 3751,3746 ; -160,-138 -110,-188 2206,-188 2274,-120 2274,3052 2228,3098 -120,3098 -160,3058 -160,-138

## Other copper
Top Layer:
  pour cut-out: 209.92,1343.92 ccw(c217,1351) 217,1340.99 652.85,1340.99 819.99,1173.85 819.99,-258 ccw(c830,-258) 840.02,-258 840.02,1178 ccw(c830,1178) 837.08,1185.08 664.08,1358.08 ccw(c657,1351) 657,1361.01 221.15,1361.01 173.08,1409.08 ccw(c166,1402) 166,1412.01 -160,1412.01 ccw(c-160,1402) -160,1391.98 161.85,1391.99
  pour cut-out: 639.09,1080 414.91,1080 414.91,1314 639.09,1314
  region net VIN: 519,696 522,693 522,636 487,601 487,506 454,473 454,395 445,386 45,386 35,396 35,470 51,486 372,486 413,527 413,688 421,696
  region net NetD2_2: 412,722 416,718 574,718 603,689 703,689 773,759 773,1194 694,1273 640,1273 596,1229 596,1173 714,1055 714,800 680,766 417,766 412,761
Bottom Layer:
  pour cut-out: 209.92,1343.92 ccw(c217,1351) 217,1340.99 652.85,1340.99 819.99,1173.85 819.99,-258 ccw(c830,-258) 840.02,-258 840.02,1178 ccw(c830,1178) 837.08,1185.08 664.08,1358.08 ccw(c657,1351) 657,1361.01 221.15,1361.01 173.08,1409.08 ccw(c166,1402) 166,1412.01 -160,1412.01 ccw(c-160,1402) -160,1391.98 161.85,1391.99

## Silkscreen, mask and mechanical layers (free items; w line width, h text height)
Top Overlay:
  text "IMET" at 1404,1539 h118.11
  text "VIN" at 343,160 h31.5
  text "GND" at 536,159.16 h31.5
  text "A" at 945,95 h31.5
  text "B" at 1419,65 h31.5
  text "LOG" at 1405,-54 h31.5 r270
Bottom Overlay:
  text "BOOT" at 1665,20 h31.5

## Text inside footprints (layer, text, board x,y; h text height)
C1: Top Overlay "+" at 58,514 h31.5 r270